# Allegro board LED_FIN.brd (continued)
## Routing (per net, layer and track width the routed paths; a pad name or vN(x,y) marks a point on that pad's centre or on a via; arc(x,y) is an arc through that point) (continued)
COL_OUT_A22: length 259.4
  TOP w0.15: D3428.1 v1(233.25,392.8) ; D4238.1 v1(233.25,338.8) ; D3998.1 v1(233.25,354.8) ; D4358.1 v1(233.25,330.8) ; D4118.1 v1(233.25,346.8) ; D3488.1 v1(233.25,388.8) ; D4148.1 v1(233.25,344.8) ; D3458.1 v1(233.25,390.8) ; D3728.1 v1(233.25,372.8) ; D3968.1 v1(233.25,356.8) ; v1(231.95,161.1) R98.1 ; D3608.1 v1(233.25,380.8) ; D3848.1 v1(233.25,364.8) ; D4478.1 v1(233.25,322.8) ; D3548.1 v1(233.25,384.8) ; D3638.1 v1(233.25,378.8) ; D4328.1 v1(233.25,332.8) ; D3698.1 v1(233.25,374.8) ; D3578.1 v1(233.25,382.8) ; D3518.1 v1(233.25,386.8) ; D3758.1 v1(233.25,370.8) ; D3938.1 v1(233.25,358.8) ; D3878.1 v1(233.25,362.8) ; D4538.1 v1(233.25,318.8) ; D4028.1 v1(233.25,352.8) ; D4448.1 v1(233.25,324.8) ; D3788.1 v1(233.25,368.8) ; D4178.1 v1(233.25,342.8) ; D4388.1 v1(233.25,328.8) ; D4418.1 v1(233.25,326.8) ; D4208.1 v1(233.25,340.8) ; D3668.1 v1(233.25,376.8) ; D4298.1 v1(233.25,334.8) ; D3908.1 v1(233.25,360.8) ; D4268.1 v1(233.25,336.8) ; D4058.1 v1(233.25,350.8) ; D3818.1 v1(233.25,366.8) ; D4508.1 v1(233.25,320.8) ; D4088.1 v1(233.25,348.8)
  BOTTOM w0.15: v1(231.95,161.1) 231.95,317.5 v1(233.25,318.8) v1(233.25,320.8) v1(233.25,322.8) v1(233.25,324.8) v1(233.25,326.8) v1(233.25,328.8) v1(233.25,330.8) v1(233.25,332.8) v1(233.25,334.8) v1(233.25,336.8) v1(233.25,338.8) v1(233.25,340.8) v1(233.25,342.8) v1(233.25,344.8) v1(233.25,346.8) v1(233.25,348.8) v1(233.25,350.8) v1(233.25,352.8) v1(233.25,354.8) v1(233.25,356.8) v1(233.25,358.8) v1(233.25,360.8) v1(233.25,362.8) v1(233.25,364.8) v1(233.25,366.8) v1(233.25,368.8) v1(233.25,370.8) v1(233.25,372.8) v1(233.25,374.8) v1(233.25,376.8) v1(233.25,378.8) v1(233.25,380.8) v1(233.25,382.8) v1(233.25,384.8) v1(233.25,386.8) v1(233.25,388.8) v1(233.25,390.8) v1(233.25,392.8)
COL_OUT_A23: length 259.4
  TOP w0.15: D3877.1 v1(231.25,362.8) ; D3667.1 v1(231.25,376.8) ; D4177.1 v1(231.25,342.8) ; D4087.1 v1(231.25,348.8) ; D3697.1 v1(231.25,374.8) ; D4237.1 v1(231.25,338.8) ; D4477.1 v1(231.25,322.8) ; D4027.1 v1(231.25,352.8) ; D3937.1 v1(231.25,358.8) ; D3547.1 v1(231.25,384.8) ; D3817.1 v1(231.25,366.8) ; D4207.1 v1(231.25,340.8) ; D3847.1 v1(231.25,364.8) ; D3757.1 v1(231.25,370.8) ; D4357.1 v1(231.25,330.8) ; D4267.1 v1(231.25,336.8) ; D4147.1 v1(231.25,344.8) ; D3427.1 v1(231.25,392.8) ; D4057.1 v1(231.25,350.8) ; D3577.1 v1(231.25,382.8) ; D4327.1 v1(231.25,332.8) ; D3487.1 v1(231.25,388.8) ; D3607.1 v1(231.25,380.8) ; D3727.1 v1(231.25,372.8) ; D4117.1 v1(231.25,346.8) ; D3907.1 v1(231.25,360.8) ; D3517.1 v1(231.25,386.8) ; D4387.1 v1(231.25,328.8) ; D3967.1 v1(231.25,356.8) ; D4417.1 v1(231.25,326.8) ; D4537.1 v1(231.25,318.8) ; D3787.1 v1(231.25,368.8) ; D4447.1 v1(231.25,324.8) ; D4297.1 v1(231.25,334.8) ; D4507.1 v1(231.25,320.8) ; D3637.1 v1(231.25,378.8) ; D3457.1 v1(231.25,390.8) ; D3997.1 v1(231.25,354.8) ; v1(229.95,161.1) R97.1
  BOTTOM w0.15: v1(231.25,392.8) v1(231.25,390.8) v1(231.25,388.8) v1(231.25,386.8) v1(231.25,384.8) v1(231.25,382.8) v1(231.25,380.8) v1(231.25,378.8) v1(231.25,376.8) v1(231.25,374.8) v1(231.25,372.8) v1(231.25,370.8) v1(231.25,368.8) v1(231.25,366.8) v1(231.25,364.8) v1(231.25,362.8) v1(231.25,360.8) v1(231.25,358.8) v1(231.25,356.8) v1(231.25,354.8) v1(231.25,352.8) v1(231.25,350.8) v1(231.25,348.8) v1(231.25,346.8) v1(231.25,344.8) v1(231.25,342.8) v1(231.25,340.8) v1(231.25,338.8) v1(231.25,336.8) v1(231.25,334.8) v1(231.25,332.8) v1(231.25,330.8) v1(231.25,328.8) v1(231.25,326.8) v1(231.25,324.8) v1(231.25,322.8) v1(231.25,320.8) v1(231.25,318.8) 229.95,317.5 v1(229.95,161.1)
COL_OUT_A24: length 259.4
  TOP w0.15: D4266.1 v1(229.25,336.8) ; D4056.1 v1(229.25,350.8) ; D4416.1 v1(229.25,326.8) ; D3756.1 v1(229.25,370.8) ; D4296.1 v1(229.25,334.8) ; D4026.1 v1(229.25,352.8) ; D3906.1 v1(229.25,360.8) ; D4236.1 v1(229.25,338.8) ; D3846.1 v1(229.25,364.8) ; D3786.1 v1(229.25,368.8) ; D4476.1 v1(229.25,322.8) ; D4086.1 v1(229.25,348.8) ; D3636.1 v1(229.25,378.8) ; D3966.1 v1(229.25,356.8) ; D4386.1 v1(229.25,328.8) ; D3666.1 v1(229.25,376.8) ; D4446.1 v1(229.25,324.8) ; D4116.1 v1(229.25,346.8) ; D3456.1 v1(229.25,390.8) ; D4176.1 v1(229.25,342.8) ; D4206.1 v1(229.25,340.8) ; D4506.1 v1(229.25,320.8) ; D4146.1 v1(229.25,344.8) ; D3816.1 v1(229.25,366.8) ; D3516.1 v1(229.25,386.8) ; D3426.1 v1(229.25,392.8) ; D3606.1 v1(229.25,380.8) ; D3996.1 v1(229.25,354.8) ; D3576.1 v1(229.25,382.8) ; v1(227.95,161.1) R96.1 ; D3936.1 v1(229.25,358.8) ; D3696.1 v1(229.25,374.8) ; D4356.1 v1(229.25,330.8) ; D3486.1 v1(229.25,388.8) ; D3726.1 v1(229.25,372.8) ; D3546.1 v1(229.25,384.8) ; D4326.1 v1(229.25,332.8) ; D3876.1 v1(229.25,362.8) ; D4536.1 v1(229.25,318.8)
  BOTTOM w0.15: v1(229.25,392.8) v1(229.25,390.8) v1(229.25,388.8) v1(229.25,386.8) v1(229.25,384.8) v1(229.25,382.8) v1(229.25,380.8) v1(229.25,378.8) v1(229.25,376.8) v1(229.25,374.8) v1(229.25,372.8) v1(229.25,370.8) v1(229.25,368.8) v1(229.25,366.8) v1(229.25,364.8) v1(229.25,362.8) v1(229.25,360.8) v1(229.25,358.8) v1(229.25,356.8) v1(229.25,354.8) v1(229.25,352.8) v1(229.25,350.8) v1(229.25,348.8) v1(229.25,346.8) v1(229.25,344.8) v1(229.25,342.8) v1(229.25,340.8) v1(229.25,338.8) v1(229.25,336.8) v1(229.25,334.8) v1(229.25,332.8) v1(229.25,330.8) v1(229.25,328.8) v1(229.25,326.8) v1(229.25,324.8) v1(229.25,322.8) v1(229.25,320.8) v1(229.25,318.8) 227.95,317.5 v1(227.95,161.1)
COL_OUT_A25: length 259.4
  TOP w0.15: D4445.1 v1(227.25,324.8) ; D3425.1 v1(227.25,392.8) ; D3725.1 v1(227.25,372.8) ; D3545.1 v1(227.25,384.8) ; D4235.1 v1(227.25,338.8) ; D3995.1 v1(227.25,354.8) ; D4535.1 v1(227.25,318.8) ; D3605.1 v1(227.25,380.8) ; D3785.1 v1(227.25,368.8) ; D3515.1 v1(227.25,386.8) ; D3665.1 v1(227.25,376.8) ; D4295.1 v1(227.25,334.8) ; D4415.1 v1(227.25,326.8) ; D3455.1 v1(227.25,390.8) ; D4385.1 v1(227.25,328.8) ; D4205.1 v1(227.25,340.8) ; D4085.1 v1(227.25,348.8) ; D3905.1 v1(227.25,360.8) ; D3695.1 v1(227.25,374.8) ; D3755.1 v1(227.25,370.8) ; D3815.1 v1(227.25,366.8) ; D3965.1 v1(227.25,356.8) ; D4325.1 v1(227.25,332.8) ; D4355.1 v1(227.25,330.8) ; D4055.1 v1(227.25,350.8) ; D4475.1 v1(227.25,322.8) ; D3485.1 v1(227.25,388.8) ; D4505.1 v1(227.25,320.8) ; D4025.1 v1(227.25,352.8) ; D4115.1 v1(227.25,346.8) ; D3575.1 v1(227.25,382.8) ; D3635.1 v1(227.25,378.8) ; D3935.1 v1(227.25,358.8) ; D4145.1 v1(227.25,344.8) ; D3875.1 v1(227.25,362.8) ; D4175.1 v1(227.25,342.8) ; v1(225.95,161.1) R95.1 ; D4265.1 v1(227.25,336.8) ; D3845.1 v1(227.25,364.8)
  BOTTOM w0.15: v1(227.25,392.8) v1(227.25,390.8) v1(227.25,388.8) v1(227.25,386.8) v1(227.25,384.8) v1(227.25,382.8) v1(227.25,380.8) v1(227.25,378.8) v1(227.25,376.8) v1(227.25,374.8) v1(227.25,372.8) v1(227.25,370.8) v1(227.25,368.8) v1(227.25,366.8) v1(227.25,364.8) v1(227.25,362.8) v1(227.25,360.8) v1(227.25,358.8) v1(227.25,356.8) v1(227.25,354.8) v1(227.25,352.8) v1(227.25,350.8) v1(227.25,348.8) v1(227.25,346.8) v1(227.25,344.8) v1(227.25,342.8) v1(227.25,340.8) v1(227.25,338.8) v1(227.25,336.8) v1(227.25,334.8) v1(227.25,332.8) v1(227.25,330.8) v1(227.25,328.8) v1(227.25,326.8) v1(227.25,324.8) v1(227.25,322.8) v1(227.25,320.8) v1(227.25,318.8) 225.95,317.5 v1(225.95,161.1)
COL_OUT_A26: length 259.4
  TOP w0.15: D4024.1 v1(225.25,352.8) ; D3904.1 v1(225.25,360.8) ; D4534.1 v1(225.25,318.8) ; D4324.1 v1(225.25,332.8) ; D3424.1 v1(225.25,392.8) ; D3964.1 v1(225.25,356.8) ; v1(223.95,161.1) R94.1 ; D4234.1 v1(225.25,338.8) ; D3994.1 v1(225.25,354.8) ; D3754.1 v1(225.25,370.8) ; D3724.1 v1(225.25,372.8) ; D3874.1 v1(225.25,362.8) ; D3814.1 v1(225.25,366.8) ; D3634.1 v1(225.25,378.8) ; D4294.1 v1(225.25,334.8) ; D4504.1 v1(225.25,320.8) ; D3574.1 v1(225.25,382.8) ; D4444.1 v1(225.25,324.8) ; D3784.1 v1(225.25,368.8) ; D4474.1 v1(225.25,322.8) ; D3514.1 v1(225.25,386.8) ; D4204.1 v1(225.25,340.8) ; D3604.1 v1(225.25,380.8) ; D3844.1 v1(225.25,364.8) ; D4174.1 v1(225.25,342.8) ; D4144.1 v1(225.25,344.8) ; D3664.1 v1(225.25,376.8) ; D4084.1 v1(225.25,348.8) ; D4114.1 v1(225.25,346.8) ; D4054.1 v1(225.25,350.8) ; D4414.1 v1(225.25,326.8) ; D3454.1 v1(225.25,390.8) ; D4384.1 v1(225.25,328.8) ; D3694.1 v1(225.25,374.8) ; D4354.1 v1(225.25,330.8) ; D3934.1 v1(225.25,358.8) ; D4264.1 v1(225.25,336.8) ; D3484.1 v1(225.25,388.8) ; D3544.1 v1(225.25,384.8)
  BOTTOM w0.15: v1(223.95,161.1) 223.95,317.5 v1(225.25,318.8) v1(225.25,320.8) v1(225.25,322.8) v1(225.25,324.8) v1(225.25,326.8) v1(225.25,328.8) v1(225.25,330.8) v1(225.25,332.8) v1(225.25,334.8) v1(225.25,336.8) v1(225.25,338.8) v1(225.25,340.8) v1(225.25,342.8) v1(225.25,344.8) v1(225.25,346.8) v1(225.25,348.8) v1(225.25,350.8) v1(225.25,352.8) v1(225.25,354.8) v1(225.25,356.8) v1(225.25,358.8) v1(225.25,360.8) v1(225.25,362.8) v1(225.25,364.8) v1(225.25,366.8) v1(225.25,368.8) v1(225.25,370.8) v1(225.25,372.8) v1(225.25,374.8) v1(225.25,376.8) v1(225.25,378.8) v1(225.25,380.8) v1(225.25,382.8) v1(225.25,384.8) v1(225.25,386.8) v1(225.25,388.8) v1(225.25,390.8) v1(225.25,392.8)
COL_OUT_A27: length 259.4
  TOP w0.15: D4383.1 v1(223.25,328.8) ; D3633.1 v1(223.25,378.8) ; D3423.1 v1(223.25,392.8) ; D3783.1 v1(223.25,368.8) ; D3573.1 v1(223.25,382.8) ; D4323.1 v1(223.25,332.8) ; D3873.1 v1(223.25,362.8) ; D3603.1 v1(223.25,380.8) ; D4503.1 v1(223.25,320.8) ; D4473.1 v1(223.25,322.8) ; D4143.1 v1(223.25,344.8) ; D3903.1 v1(223.25,360.8) ; D3693.1 v1(223.25,374.8) ; D4353.1 v1(223.25,330.8) ; D4113.1 v1(223.25,346.8) ; D4263.1 v1(223.25,336.8) ; D3453.1 v1(223.25,390.8) ; D3843.1 v1(223.25,364.8) ; D4293.1 v1(223.25,334.8) ; D4443.1 v1(223.25,324.8) ; D3663.1 v1(223.25,376.8) ; D3753.1 v1(223.25,370.8) ; D3513.1 v1(223.25,386.8) ; v1(221.95,161.1) R93.1 ; D4173.1 v1(223.25,342.8) ; D3483.1 v1(223.25,388.8) ; D4413.1 v1(223.25,326.8) ; D3813.1 v1(223.25,366.8) ; D3993.1 v1(223.25,354.8) ; D3723.1 v1(223.25,372.8) ; D4053.1 v1(223.25,350.8) ; D3543.1 v1(223.25,384.8) ; D4203.1 v1(223.25,340.8) ; D4533.1 v1(223.25,318.8) ; D4083.1 v1(223.25,348.8) ; D4233.1 v1(223.25,338.8) ; D3963.1 v1(223.25,356.8) ; D4023.1 v1(223.25,352.8) ; D3933.1 v1(223.25,358.8)
  BOTTOM w0.15: v1(221.95,161.1) 221.95,317.5 v1(223.25,318.8) v1(223.25,320.8) v1(223.25,322.8) v1(223.25,324.8) v1(223.25,326.8) v1(223.25,328.8) v1(223.25,330.8) v1(223.25,332.8) v1(223.25,334.8) v1(223.25,336.8) v1(223.25,338.8) v1(223.25,340.8) v1(223.25,342.8) v1(223.25,344.8) v1(223.25,346.8) v1(223.25,348.8) v1(223.25,350.8) v1(223.25,352.8) v1(223.25,354.8) v1(223.25,356.8) v1(223.25,358.8) v1(223.25,360.8) v1(223.25,362.8) v1(223.25,364.8) v1(223.25,366.8) v1(223.25,368.8) v1(223.25,370.8) v1(223.25,372.8) v1(223.25,374.8) v1(223.25,376.8) v1(223.25,378.8) v1(223.25,380.8) v1(223.25,382.8) v1(223.25,384.8) v1(223.25,386.8) v1(223.25,388.8) v1(223.25,390.8) v1(223.25,392.8)
COL_OUT_A28: length 259.4
  TOP w0.15: D3602.1 v1(221.25,380.8) ; D3542.1 v1(221.25,384.8) ; D4382.1 v1(221.25,328.8) ; D3722.1 v1(221.25,372.8) ; D3512.1 v1(221.25,386.8) ; D3572.1 v1(221.25,382.8) ; D3902.1 v1(221.25,360.8) ; D4442.1 v1(221.25,324.8) ; D4202.1 v1(221.25,340.8) ; D3812.1 v1(221.25,366.8) ; D4022.1 v1(221.25,352.8) ; D3932.1 v1(221.25,358.8) ; D3782.1 v1(221.25,368.8) ; D3422.1 v1(221.25,392.8) ; D4322.1 v1(221.25,332.8) ; D3452.1 v1(221.25,390.8) ; D4412.1 v1(221.25,326.8) ; D3632.1 v1(221.25,378.8) ; D4232.1 v1(221.25,338.8) ; D4292.1 v1(221.25,334.8) ; D4052.1 v1(221.25,350.8) ; D4532.1 v1(221.25,318.8) ; D3662.1 v1(221.25,376.8) ; D4262.1 v1(221.25,336.8) ; D4502.1 v1(221.25,320.8) ; D3962.1 v1(221.25,356.8) ; D3842.1 v1(221.25,364.8) ; D4112.1 v1(221.25,346.8) ; D4142.1 v1(221.25,344.8) ; D3482.1 v1(221.25,388.8) ; D4082.1 v1(221.25,348.8) ; D4472.1 v1(221.25,322.8) ; v1(219.95,161.1) R92.1 ; D3992.1 v1(221.25,354.8) ; D3872.1 v1(221.25,362.8) ; D4352.1 v1(221.25,330.8) ; D3752.1 v1(221.25,370.8) ; D3692.1 v1(221.25,374.8) ; D4172.1 v1(221.25,342.8)
  BOTTOM w0.15: v1(219.95,161.1) 219.95,317.5 v1(221.25,318.8) v1(221.25,320.8) v1(221.25,322.8) v1(221.25,324.8) v1(221.25,326.8) v1(221.25,328.8) v1(221.25,330.8) v1(221.25,332.8) v1(221.25,334.8) v1(221.25,336.8) v1(221.25,338.8) v1(221.25,340.8) v1(221.25,342.8) v1(221.25,344.8) v1(221.25,346.8) v1(221.25,348.8) v1(221.25,350.8) v1(221.25,352.8) v1(221.25,354.8) v1(221.25,356.8) v1(221.25,358.8) v1(221.25,360.8) v1(221.25,362.8) v1(221.25,364.8) v1(221.25,366.8) v1(221.25,368.8) v1(221.25,370.8) v1(221.25,372.8) v1(221.25,374.8) v1(221.25,376.8) v1(221.25,378.8) v1(221.25,380.8) v1(221.25,382.8) v1(221.25,384.8) v1(221.25,386.8) v1(221.25,388.8) v1(221.25,390.8) v1(221.25,392.8)
COL_OUT_A29: length 259.4
  TOP w0.15: D3751.1 v1(219.25,370.8) ; D4171.1 v1(219.25,342.8) ; D4051.1 v1(219.25,350.8) ; D3871.1 v1(219.25,362.8) ; D4531.1 v1(219.25,318.8) ; D3721.1 v1(219.25,372.8) ; D3991.1 v1(219.25,354.8) ; D4471.1 v1(219.25,322.8) ; D4261.1 v1(219.25,336.8) ; D4351.1 v1(219.25,330.8) ; D4291.1 v1(219.25,334.8) ; D4201.1 v1(219.25,340.8) ; D4501.1 v1(219.25,320.8) ; D3661.1 v1(219.25,376.8) ; D3781.1 v1(219.25,368.8) ; D4021.1 v1(219.25,352.8) ; D3961.1 v1(219.25,356.8) ; D4381.1 v1(219.25,328.8) ; D3811.1 v1(219.25,366.8) ; D3901.1 v1(219.25,360.8) ; D3571.1 v1(219.25,382.8) ; D3481.1 v1(219.25,388.8) ; D4321.1 v1(219.25,332.8) ; D3511.1 v1(219.25,386.8) ; D4111.1 v1(219.25,346.8) ; D3541.1 v1(219.25,384.8) ; D3691.1 v1(219.25,374.8) ; D4081.1 v1(219.25,348.8) ; D3451.1 v1(219.25,390.8) ; D4441.1 v1(219.25,324.8) ; D3931.1 v1(219.25,358.8) ; D3841.1 v1(219.25,364.8) ; v1(217.95,161.1) R91.1 ; D4231.1 v1(219.25,338.8) ; D4141.1 v1(219.25,344.8) ; D3631.1 v1(219.25,378.8) ; D4411.1 v1(219.25,326.8) ; D3421.1 v1(219.25,392.8) ; D3601.1 v1(219.25,380.8)
  BOTTOM w0.15: v1(217.95,161.1) 217.95,317.5 v1(219.25,318.8) v1(219.25,320.8) v1(219.25,322.8) v1(219.25,324.8) v1(219.25,326.8) v1(219.25,328.8) v1(219.25,330.8) v1(219.25,332.8) v1(219.25,334.8) v1(219.25,336.8) v1(219.25,338.8) v1(219.25,340.8) v1(219.25,342.8) v1(219.25,344.8) v1(219.25,346.8) v1(219.25,348.8) v1(219.25,350.8) v1(219.25,352.8) v1(219.25,354.8) v1(219.25,356.8) v1(219.25,358.8) v1(219.25,360.8) v1(219.25,362.8) v1(219.25,364.8) v1(219.25,366.8) v1(219.25,368.8) v1(219.25,370.8) v1(219.25,372.8) v1(219.25,374.8) v1(219.25,376.8) v1(219.25,378.8) v1(219.25,380.8) v1(219.25,382.8) v1(219.25,384.8) v1(219.25,386.8) v1(219.25,388.8) v1(219.25,390.8) v1(219.25,392.8)
COL_OUT_A30: length 259.4
  TOP w0.15: D2790.1 v1(217.25,360.8) ; D3390.1 v1(217.25,320.8) ; D2760.1 v1(217.25,362.8) ; D3240.1 v1(217.25,330.8) ; D3360.1 v1(217.25,322.8) ; D3060.1 v1(217.25,342.8) ; D2880.1 v1(217.25,354.8) ; D3330.1 v1(217.25,324.8) ; D3120.1 v1(217.25,338.8) ; D2430.1 v1(217.25,384.8) ; D2850.1 v1(217.25,356.8) ; D2640.1 v1(217.25,370.8) ; D2910.1 v1(217.25,352.8) ; D2460.1 v1(217.25,382.8) ; D2700.1 v1(217.25,366.8) ; D2610.1 v1(217.25,372.8) ; D3000.1 v1(217.25,346.8) ; D2310.1 v1(217.25,392.8) ; D3150.1 v1(217.25,336.8) ; D2520.1 v1(217.25,378.8) ; D2670.1 v1(217.25,368.8) ; D2580.1 v1(217.25,374.8) ; D2820.1 v1(217.25,358.8) ; D2340.1 v1(217.25,390.8) ; D3420.1 v1(217.25,318.8) ; D2400.1 v1(217.25,386.8) ; v1(215.95,161.1) R90.1 ; D2730.1 v1(217.25,364.8) ; D2490.1 v1(217.25,380.8) ; D3090.1 v1(217.25,340.8) ; D3210.1 v1(217.25,332.8) ; D2970.1 v1(217.25,348.8) ; D3300.1 v1(217.25,326.8) ; D2370.1 v1(217.25,388.8) ; D2940.1 v1(217.25,350.8) ; D2550.1 v1(217.25,376.8) ; D3270.1 v1(217.25,328.8) ; D3180.1 v1(217.25,334.8) ; D3030.1 v1(217.25,344.8)
  BOTTOM w0.15: v1(217.25,392.8) v1(217.25,390.8) v1(217.25,388.8) v1(217.25,386.8) v1(217.25,384.8) v1(217.25,382.8) v1(217.25,380.8) v1(217.25,378.8) v1(217.25,376.8) v1(217.25,374.8) v1(217.25,372.8) v1(217.25,370.8) v1(217.25,368.8) v1(217.25,366.8) v1(217.25,364.8) v1(217.25,362.8) v1(217.25,360.8) v1(217.25,358.8) v1(217.25,356.8) v1(217.25,354.8) v1(217.25,352.8) v1(217.25,350.8) v1(217.25,348.8) v1(217.25,346.8) v1(217.25,344.8) v1(217.25,342.8) v1(217.25,340.8) v1(217.25,338.8) v1(217.25,336.8) v1(217.25,334.8) v1(217.25,332.8) v1(217.25,330.8) v1(217.25,328.8) v1(217.25,326.8) v1(217.25,324.8) v1(217.25,322.8) v1(217.25,320.8) v1(217.25,318.8) 215.95,317.5 v1(215.95,161.1)
COL_OUT_A31: length 259.4
  TOP w0.15: D3209.1 v1(215.25,332.8) ; D2729.1 v1(215.25,364.8) ; D2909.1 v1(215.25,352.8) ; v1(213.95,161.1) R89.1 ; D3269.1 v1(215.25,328.8) ; D2609.1 v1(215.25,372.8) ; D2939.1 v1(215.25,350.8) ; D3089.1 v1(215.25,340.8) ; D2369.1 v1(215.25,388.8) ; D2819.1 v1(215.25,358.8) ; D2879.1 v1(215.25,354.8) ; D3419.1 v1(215.25,318.8) ; D3059.1 v1(215.25,342.8) ; D3329.1 v1(215.25,324.8) ; D2459.1 v1(215.25,382.8) ; D2549.1 v1(215.25,376.8) ; D2309.1 v1(215.25,392.8) ; D2639.1 v1(215.25,370.8) ; D2849.1 v1(215.25,356.8) ; D2339.1 v1(215.25,390.8) ; D3359.1 v1(215.25,322.8) ; D3029.1 v1(215.25,344.8) ; D2429.1 v1(215.25,384.8) ; D2999.1 v1(215.25,346.8) ; D3149.1 v1(215.25,336.8) ; D2669.1 v1(215.25,368.8) ; D2759.1 v1(215.25,362.8) ; D2699.1 v1(215.25,366.8) ; D3299.1 v1(215.25,326.8) ; D2789.1 v1(215.25,360.8) ; D3239.1 v1(215.25,330.8) ; D2969.1 v1(215.25,348.8) ; D2579.1 v1(215.25,374.8) ; D3389.1 v1(215.25,320.8) ; D3179.1 v1(215.25,334.8) ; D2519.1 v1(215.25,378.8) ; D3119.1 v1(215.25,338.8) ; D2399.1 v1(215.25,386.8) ; D2489.1 v1(215.25,380.8)
  BOTTOM w0.15: v1(213.95,161.1) 213.95,317.5 v1(215.25,318.8) v1(215.25,320.8) v1(215.25,322.8) v1(215.25,324.8) v1(215.25,326.8) v1(215.25,328.8) v1(215.25,330.8) v1(215.25,332.8) v1(215.25,334.8) v1(215.25,336.8) v1(215.25,338.8) v1(215.25,340.8) v1(215.25,342.8) v1(215.25,344.8) v1(215.25,346.8) v1(215.25,348.8) v1(215.25,350.8) v1(215.25,352.8) v1(215.25,354.8) v1(215.25,356.8) v1(215.25,358.8) v1(215.25,360.8) v1(215.25,362.8) v1(215.25,364.8) v1(215.25,366.8) v1(215.25,368.8) v1(215.25,370.8) v1(215.25,372.8) v1(215.25,374.8) v1(215.25,376.8) v1(215.25,378.8) v1(215.25,380.8) v1(215.25,382.8) v1(215.25,384.8) v1(215.25,386.8) v1(215.25,388.8) v1(215.25,390.8) v1(215.25,392.8)
COL_OUT_A32: length 259.4
  TOP w0.15: D2698.1 v1(213.25,366.8) ; D3358.1 v1(213.25,322.8) ; D2338.1 v1(213.25,390.8) ; D2938.1 v1(213.25,350.8) ; D2818.1 v1(213.25,358.8) ; D2578.1 v1(213.25,374.8) ; v1(211.95,161.1) R88.1 ; D2398.1 v1(213.25,386.8) ; D3418.1 v1(213.25,318.8) ; D3238.1 v1(213.25,330.8) ; D2668.1 v1(213.25,368.8) ; D2968.1 v1(213.25,348.8) ; D2848.1 v1(213.25,356.8) ; D2638.1 v1(213.25,370.8) ; D2908.1 v1(213.25,352.8) ; D3178.1 v1(213.25,334.8) ; D2308.1 v1(213.25,392.8) ; D3208.1 v1(213.25,332.8) ; D2878.1 v1(213.25,354.8) ; D3148.1 v1(213.25,336.8) ; D3388.1 v1(213.25,320.8) ; D3118.1 v1(213.25,338.8) ; D3268.1 v1(213.25,328.8) ; D2548.1 v1(213.25,376.8) ; D2368.1 v1(213.25,388.8) ; D2998.1 v1(213.25,346.8) ; D3058.1 v1(213.25,342.8) ; D2458.1 v1(213.25,382.8) ; D2488.1 v1(213.25,380.8) ; D2728.1 v1(213.25,364.8) ; D2518.1 v1(213.25,378.8) ; D2608.1 v1(213.25,372.8) ; D3328.1 v1(213.25,324.8) ; D3298.1 v1(213.25,326.8) ; D3028.1 v1(213.25,344.8) ; D2788.1 v1(213.25,360.8) ; D2428.1 v1(213.25,384.8) ; D3088.1 v1(213.25,340.8) ; D2758.1 v1(213.25,362.8)
  BOTTOM w0.15: v1(211.95,161.1) 211.95,317.5 v1(213.25,318.8) v1(213.25,320.8) v1(213.25,322.8) v1(213.25,324.8) v1(213.25,326.8) v1(213.25,328.8) v1(213.25,330.8) v1(213.25,332.8) v1(213.25,334.8) v1(213.25,336.8) v1(213.25,338.8) v1(213.25,340.8) v1(213.25,342.8) v1(213.25,344.8) v1(213.25,346.8) v1(213.25,348.8) v1(213.25,350.8) v1(213.25,352.8) v1(213.25,354.8) v1(213.25,356.8) v1(213.25,358.8) v1(213.25,360.8) v1(213.25,362.8) v1(213.25,364.8) v1(213.25,366.8) v1(213.25,368.8) v1(213.25,370.8) v1(213.25,372.8) v1(213.25,374.8) v1(213.25,376.8) v1(213.25,378.8) v1(213.25,380.8) v1(213.25,382.8) v1(213.25,384.8) v1(213.25,386.8) v1(213.25,388.8) v1(213.25,390.8) v1(213.25,392.8)
COL_OUT_A33: length 259.4
  TOP w0.15: D3117.1 v1(211.25,338.8) ; D2367.1 v1(211.25,388.8) ; D3267.1 v1(211.25,328.8) ; D2907.1 v1(211.25,352.8) ; D3057.1 v1(211.25,342.8) ; D2427.1 v1(211.25,384.8) ; D2637.1 v1(211.25,370.8) ; D2577.1 v1(211.25,374.8) ; D3087.1 v1(211.25,340.8) ; D2727.1 v1(211.25,364.8) ; D2607.1 v1(211.25,372.8) ; D2937.1 v1(211.25,350.8) ; D2667.1 v1(211.25,368.8) ; D3417.1 v1(211.25,318.8) ; D2697.1 v1(211.25,366.8) ; v1(209.95,161.1) R87.1 ; D3237.1 v1(211.25,330.8) ; D2337.1 v1(211.25,390.8) ; D2307.1 v1(211.25,392.8) ; D2397.1 v1(211.25,386.8) ; D3357.1 v1(211.25,322.8) ; D2877.1 v1(211.25,354.8) ; D3327.1 v1(211.25,324.8) ; D2967.1 v1(211.25,348.8) ; D3207.1 v1(211.25,332.8) ; D3177.1 v1(211.25,334.8) ; D3147.1 v1(211.25,336.8) ; D3297.1 v1(211.25,326.8) ; D2847.1 v1(211.25,356.8) ; D2787.1 v1(211.25,360.8) ; D2547.1 v1(211.25,376.8) ; D2517.1 v1(211.25,378.8) ; D3027.1 v1(211.25,344.8) ; D2757.1 v1(211.25,362.8) ; D2487.1 v1(211.25,380.8) ; D3387.1 v1(211.25,320.8) ; D2997.1 v1(211.25,346.8) ; D2817.1 v1(211.25,358.8) ; D2457.1 v1(211.25,382.8)
  BOTTOM w0.15: v1(209.95,161.1) 209.95,317.5 v1(211.25,318.8) v1(211.25,320.8) v1(211.25,322.8) v1(211.25,324.8) v1(211.25,326.8) v1(211.25,328.8) v1(211.25,330.8) v1(211.25,332.8) v1(211.25,334.8) v1(211.25,336.8) v1(211.25,338.8) v1(211.25,340.8) v1(211.25,342.8) v1(211.25,344.8) v1(211.25,346.8) v1(211.25,348.8) v1(211.25,350.8) v1(211.25,352.8) v1(211.25,354.8) v1(211.25,356.8) v1(211.25,358.8) v1(211.25,360.8) v1(211.25,362.8) v1(211.25,364.8) v1(211.25,366.8) v1(211.25,368.8) v1(211.25,370.8) v1(211.25,372.8) v1(211.25,374.8) v1(211.25,376.8) v1(211.25,378.8) v1(211.25,380.8) v1(211.25,382.8) v1(211.25,384.8) v1(211.25,386.8) v1(211.25,388.8) v1(211.25,390.8) v1(211.25,392.8)
COL_OUT_A34: length 259.4
  TOP w0.15: D2726.1 v1(209.25,364.8) ; D3266.1 v1(209.25,328.8) ; D2846.1 v1(209.25,356.8) ; D3356.1 v1(209.25,322.8) ; D3206.1 v1(209.25,332.8) ; D2696.1 v1(209.25,366.8) ; D2666.1 v1(209.25,368.8) ; D3116.1 v1(209.25,338.8) ; D3236.1 v1(209.25,330.8) ; D2936.1 v1(209.25,350.8) ; D3296.1 v1(209.25,326.8) ; D3416.1 v1(209.25,318.8) ; D2546.1 v1(209.25,376.8) ; D2486.1 v1(209.25,380.8) ; D2576.1 v1(209.25,374.8) ; D2906.1 v1(209.25,352.8) ; D2516.1 v1(209.25,378.8) ; v1(207.95,161.1) R86.1 ; D2306.1 v1(209.25,392.8) ; D3326.1 v1(209.25,324.8) ; D3146.1 v1(209.25,336.8) ; D2996.1 v1(209.25,346.8) ; D2966.1 v1(209.25,348.8) ; D2756.1 v1(209.25,362.8) ; D3386.1 v1(209.25,320.8) ; D2366.1 v1(209.25,388.8) ; D3056.1 v1(209.25,342.8) ; D2636.1 v1(209.25,370.8) ; D3026.1 v1(209.25,344.8) ; D2396.1 v1(209.25,386.8) ; D2876.1 v1(209.25,354.8) ; D3176.1 v1(209.25,334.8) ; D2336.1 v1(209.25,390.8) ; D2606.1 v1(209.25,372.8) ; D2786.1 v1(209.25,360.8) ; D2456.1 v1(209.25,382.8) ; D2426.1 v1(209.25,384.8) ; D2816.1 v1(209.25,358.8) ; D3086.1 v1(209.25,340.8)
  BOTTOM w0.15: v1(207.95,161.1) 207.95,317.5 v1(209.25,318.8) v1(209.25,320.8) v1(209.25,322.8) v1(209.25,324.8) v1(209.25,326.8) v1(209.25,328.8) v1(209.25,330.8) v1(209.25,332.8) v1(209.25,334.8) v1(209.25,336.8) v1(209.25,338.8) v1(209.25,340.8) v1(209.25,342.8) v1(209.25,344.8) v1(209.25,346.8) v1(209.25,348.8) v1(209.25,350.8) v1(209.25,352.8) v1(209.25,354.8) v1(209.25,356.8) v1(209.25,358.8) v1(209.25,360.8) v1(209.25,362.8) v1(209.25,364.8) v1(209.25,366.8) v1(209.25,368.8) v1(209.25,370.8) v1(209.25,372.8) v1(209.25,374.8) v1(209.25,376.8) v1(209.25,378.8) v1(209.25,380.8) v1(209.25,382.8) v1(209.25,384.8) v1(209.25,386.8) v1(209.25,388.8) v1(209.25,390.8) v1(209.25,392.8)
COL_OUT_A35: length 259.4
  TOP w0.15: D2365.1 v1(207.25,388.8) ; D2515.1 v1(207.25,378.8) ; D2935.1 v1(207.25,350.8) ; D3175.1 v1(207.25,334.8) ; D2395.1 v1(207.25,386.8) ; D2455.1 v1(207.25,382.8) ; D3235.1 v1(207.25,330.8) ; D3265.1 v1(207.25,328.8) ; D2785.1 v1(207.25,360.8) ; D2725.1 v1(207.25,364.8) ; D3355.1 v1(207.25,322.8) ; D3145.1 v1(207.25,336.8) ; D2995.1 v1(207.25,346.8) ; D3295.1 v1(207.25,326.8) ; D2335.1 v1(207.25,390.8) ; D2695.1 v1(207.25,366.8) ; D3025.1 v1(207.25,344.8) ; D2665.1 v1(207.25,368.8) ; D3325.1 v1(207.25,324.8) ; D2605.1 v1(207.25,372.8) ; D3055.1 v1(207.25,342.8) ; D3385.1 v1(207.25,320.8) ; D2905.1 v1(207.25,352.8) ; D2845.1 v1(207.25,356.8) ; D2305.1 v1(207.25,392.8) ; D2965.1 v1(207.25,348.8) ; D2425.1 v1(207.25,384.8) ; D2875.1 v1(207.25,354.8) ; D2485.1 v1(207.25,380.8) ; D2545.1 v1(207.25,376.8) ; D3415.1 v1(207.25,318.8) ; D3115.1 v1(207.25,338.8) ; v1(205.95,161.1) R85.1 ; D2575.1 v1(207.25,374.8) ; D3085.1 v1(207.25,340.8) ; D3205.1 v1(207.25,332.8) ; D2815.1 v1(207.25,358.8) ; D2755.1 v1(207.25,362.8) ; D2635.1 v1(207.25,370.8)
  BOTTOM w0.15: v1(207.25,392.8) v1(207.25,390.8) v1(207.25,388.8) v1(207.25,386.8) v1(207.25,384.8) v1(207.25,382.8) v1(207.25,380.8) v1(207.25,378.8) v1(207.25,376.8) v1(207.25,374.8) v1(207.25,372.8) v1(207.25,370.8) v1(207.25,368.8) v1(207.25,366.8) v1(207.25,364.8) v1(207.25,362.8) v1(207.25,360.8) v1(207.25,358.8) v1(207.25,356.8) v1(207.25,354.8) v1(207.25,352.8) v1(207.25,350.8) v1(207.25,348.8) v1(207.25,346.8) v1(207.25,344.8) v1(207.25,342.8) v1(207.25,340.8) v1(207.25,338.8) v1(207.25,336.8) v1(207.25,334.8) v1(207.25,332.8) v1(207.25,330.8) v1(207.25,328.8) v1(207.25,326.8) v1(207.25,324.8) v1(207.25,322.8) v1(207.25,320.8) v1(207.25,318.8) 205.95,317.5 v1(205.95,161.1)
